# Altium PCB pcb.PcbDoc (part 2 of 3)
Units mm, origin at the board's own origin, x right, y up, seen from the top; angles counter-clockwise.
Board outline 141.5 x 36 mm, 4 copper layers (COMPONENT, GND1, GND2, SIGNAL), stack 1.62 mm thick; 144 components, 119 nets, 555 pads, 641 vias.
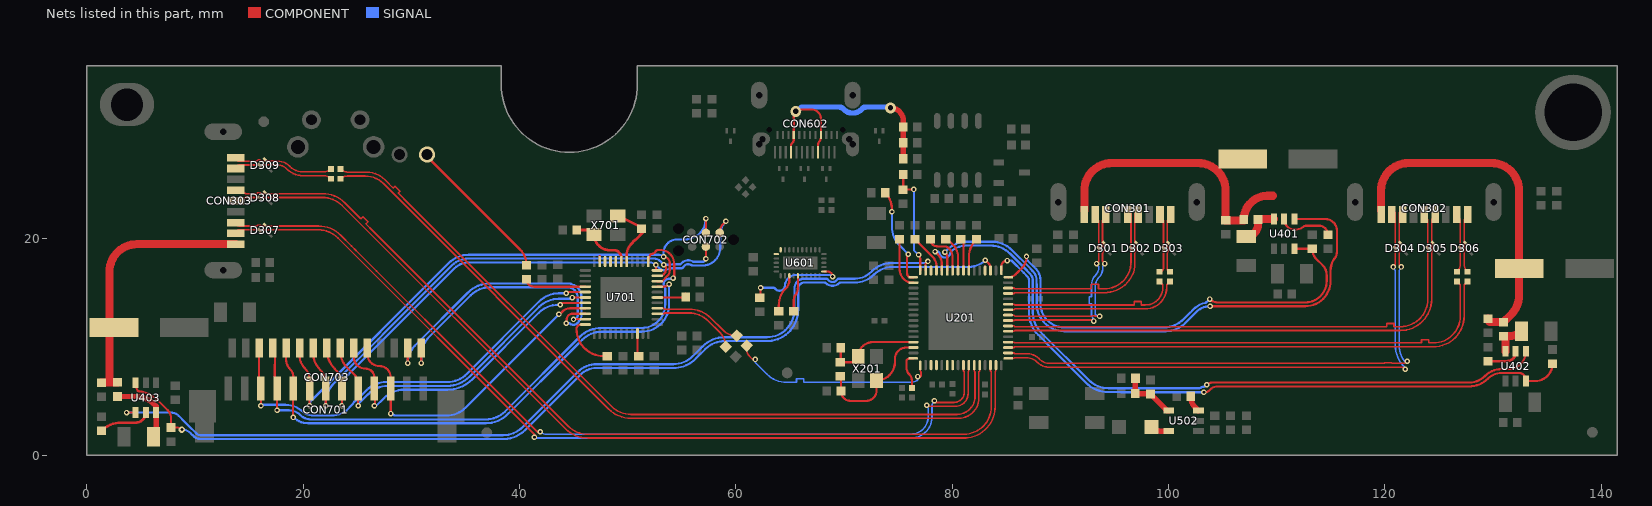
[diagram p4: the nets of this part, all layers, seen from the top]

## Via types
v1: diameter 0.508, hole 0.254, COMPONENT to SIGNAL, tented both sides, 518 vias
v2: diameter 0.6, hole 0.3, COMPONENT to SIGNAL, tented both sides, 78 vias
v3: diameter 0.508, hole 0.3, COMPONENT to SIGNAL, 37 vias
v4: diameter 1, hole 0.5, COMPONENT to SIGNAL, tented both sides, 8 vias

## Nets (pads, with @x,y where several pads share a name; then routed paths per layer and width w, separated by ;. In a path a pad name is that pad's centre, name@x,y a point inside that pad or via, vN(x,y) a via of type N, cw(c..) or ccw(c..) an arc to the next point about the centre after c; other vN are vias at no path point) (continued)
MCU_D_P: R702.1 U201.1 | length 19.9
  COMPONENT w0.152: R702.1@60.997,10.121 60.997,9.769 ccw(c61.927,9.769) 61.269,9.112 ; 61.269,9.112 61.542,8.839 v1(61.798,8.839) ; v1@77.013,7.188 77.112,7.287 77.112,7.695 77.04,7.767 U201.1@77.04,8.294
  SIGNAL w0.152: v1(61.798,8.839) 61.798,8.56 62.883,7.475 ccw(c64.679,9.271) 62.885,7.473 ccw(c64.679,9.271) 64.679,6.731 65.608,6.731 65.608,7.067 66.269,7.067 66.269,6.731 67.005,6.731 76.233,6.731 ccw(c76.233,7.546) 76.81,6.97 v1(76.81,7.264)
MCU_D_PRE_N: R701.2 U701.3 | length 7.9
  COMPONENT w0.152: U701.3@52.728,13.072 53.329,13.072 53.401,13.144 55.654,13.144 cw(c55.654,10.604) 57.45,12.4 58.547,11.303 cw(c57.299,10.055) 59.064,10.055 R701.2@59.064,10.021
MCU_D_PRE_P: R702.2 U701.4 | length 8.2
  COMPONENT w0.152: U701.4@52.728,13.572 53.329,13.572 53.401,13.5 55.655,13.5 cw(c55.655,10.608) 57.7,12.653 58.772,11.58 ccw(c60.078,12.886) R702.2@60.078,11.04
MCU_RXD1: U701.20
MCU_SCL: U701.18
MCU_SDA: U701.19
MCU_TXD1: U701.21 | length 0.5
  COMPONENT w0.203: U701.21@47.403,17.897 U701.21@47.403,18.383
MISO: CON701.6 CON702.1 CON703.8 U701.11 | length 53
  COMPONENT w0.203: CON703.8@22.161,9.9 22.161,9.777 ccw(c24.701,9.777) 22.905,7.981 22.936,7.95 cw(c21.386,6.4) 23.578,6.4 CON701.6@23.578,6.147 v1@23.578,4.604 ; v1(52.603,17.577) 52.603,17.196 U701.11@52.728,17.072 ; CON702.1@58.496,20.549 cw(c59.661,20.549) 58.837,21.372 v1(59.08,21.615)
  SIGNAL w0.203: v1@23.578,4.604 23.578,5.823 cw(c26.118,5.823) 24.322,7.619 29.306,12.604 33.977,17.274 cw(c35.27,15.98) 34.713,17.722 cw(c35.371,15.269) 35.371,17.809 52.043,17.809 cw(c52.043,17.016) 52.603,17.577 52.984,17.228 ccw(c53.327,17.603) 53.465,17.114 53.939,17.247 cw(c54.188,16.367) 54.191,17.282 54.356,17.282 54.976,17.282 ccw(c54.976,17.485) 55.154,17.388 cw(c55.601,17.145) 55.89,17.562 ccw(c56.006,17.729) 56.006,17.526 56.744,17.526 56.947,17.526 ccw(c56.947,18.161) 56.949,17.526 ccw(c56.947,18.161) 56.989,17.527 ccw(c56.921,19.152) 58.547,19.152 58.547,20.328 cw(c60.368,20.328) v1@59.08,21.615
  other v1: 23.578,4.572
MOSI: CON701.7 CON702.4 CON703.7 U701.10 | length 50.5
  COMPONENT w0.203: CON703.7@20.911,9.9 20.911,9.451 ccw(c23.142,9.451) 21.565,7.874 cw(c20.325,6.634) 22.078,6.634 CON701.7@22.078,6.147 v1(22.078,4.572) ; U701.10@52.728,16.572 53.178,16.572 53.324,16.718 53.324,16.725 53.353,16.754 ccw(c52.942,17.166) 53.4,16.807 cw(c53.56,16.681) 53.409,16.818 ccw(c53.128,17.072) 53.5,16.998 cw(c53.699,16.958) 53.503,17.012 ccw(c52.942,17.166) 53.524,17.166 53.524,17.407 ccw(c53.327,17.407) v1(53.327,17.603) ; v1(57.226,18.161) CON702.4@57.226,19.279
  SIGNAL w0.203: v1@22.078,4.4 v1(22.078,4.572) 22.078,4.826 cw(c24.618,4.826) 22.822,6.622 27.335,11.135 27.409,11.209 32.154,15.954 33.726,17.526 cw(c35.27,15.98) 35.27,18.165 52.448,18.165 cw(c52.448,17.396) 52.99,17.94 53.216,17.715 53.327,17.715 v1(53.327,17.603) 53.872,17.603 ccw(c53.872,17.806) 53.916,17.608 cw(c54.188,16.367) 54.192,17.637 54.356,17.637 54.792,17.637 ccw(c54.792,17.84) 54.946,17.708 cw(c55.601,17.145) 56.051,17.882 56.947,17.882 ccw(c56.947,18.161) v1(57.226,18.161)
NetC201_2: C201.2 R211.1 U201.62 X201.1 | length 12
  COMPONENT w0.203: R211.1@69.647,7.275 cw(c69.647,7.209) 69.713,7.209 C201.2@69.713,5.918 ccw(c70.627,5.918) 70.627,5.004 72.034,5.004 ccw(c72.034,5.969) 73,5.969 73,6.901 X201.1@73.011,6.901 ccw(c73.011,8.591) 74.701,8.591 74.701,8.89 cw(c75.755,8.89) 75.755,9.944 U201.62@76.415,9.944
NetC202_2: C202.2 R211.2 U201.61 X201.3 | length 9.2
  COMPONENT w0.203: C202.2@69.687,9.931 69.687,8.615 cw(c69.647,8.615) R211.2@69.647,8.575 70.785,8.575 ccw(c70.785,9.101) X201.3@71.311,9.101 cw(c72.654,9.101) 72.654,10.444 U201.61@76.415,10.444
NetC203_1: C203.1 U201.50 | length 6.2
  COMPONENT w0.203: 75.133,18.448 75.133,18.923 ; C203.1@75.133,19.948 75.133,19.025 ; C203.1@75.133,19.949 75.133,19.025 ; U201.50@76.415,15.944 76.284,15.944 cw(c76.284,16.967) 75.757,16.09 cw(c76.284,16.967) 75.527,16.278 cw(c76.476,17.228) 75.133,17.228 75.133,18.447 75.133,18.923 ; 75.133,18.923 75.133,19.025
NetC301_2: C301.2 C310.2 CON301.1 L301.2 | length 26.2
  COMPONENT w0.75: CON301.1@92.215,22.6 92.215,24.46 cw(c94.755,24.46) 94.755,27 102.743,27 cw(c102.743,24.46) 105.283,24.46 C301.2@105.283,21.707 L301.2@106.97,21.707 ; L301.2@106.97,21.793 cw(c109.151,21.793) 107.044,22.358 cw(c109.151,21.793) 108.587,23.901 cw(c109.151,21.793) 109.151,23.975 109.661,23.975
NetC304_2: C304.2 C311.2 CON302.1 L302.2 | length 31.8
  COMPONENT w0.75: CON302.1@119.65,22.6 119.65,24.46 cw(c122.19,24.46) 122.19,27 129.87,27 cw(c129.87,24.46) 132.41,24.46 132.41,14.776 cw(c129.87,14.776) 131.666,12.98 L302.2@130.983,12.297 129.84,12.297 cw(c129.84,12.602) C304.2@129.536,12.602
NetC307_2: C307.2 C312.2 CON303.1 L303.2 | length 24.8
  COMPONENT w0.75: C307.2@1.346,6.695 2.08,6.695 ; L303.2@2.819,6.721 2.08,6.721 2.08,16.96 cw(c4.62,16.96) 4.62,19.5 CON303.1@13.75,19.5
NetC403_2: C403.2 L301.1 U401.6 | length 3.7
  COMPONENT w0.75: C403.2@107.188,20.222 ccw(c107.188,21.304) 108.27,21.304 L301.1@108.27,21.793 108.299,21.822 U401.6@109.743,21.822
NetC406_2: C406.2 L302.1 U402.6 | length 3.2
  COMPONENT w0.75: U402.6@131.151,9.593 131.151,10.593 ccw(c130.579,10.593) L302.1@130.983,10.997 131.516,10.997 ccw(c131.516,12.609) C406.2@132.656,11.469
NetC409_2: C409.2 L303.1 U403.6 | length 6.3
  COMPONENT w0.5: L303.1@2.819,5.421 4.424,5.421 cw(c4.424,2.881) 4.76,5.398 cw(c4.424,2.881) 5.694,5.08 cw(c4.424,2.881) 6.22,4.677 6.386,4.511 U403.6@6.386,3.934 C409.2@6.386,2.051
NetC506_1: C506.1 R502.2 R503.1 U502.4 | length 5.3
  COMPONENT w0.508: R502.2@96.941,7.112 96.941,5.715 C506.1@96.916,5.69 98.283,5.69 R503.1@98.323,5.649 99.76,4.213 ccw(c100.015,4.468) U502.4@100.015,4.107 U502.4@99.866,4.107
NetC601_2: C601.2 CON602.A4 CON602.A9 CON602.B4 CON602.B9 D606.1 L601.1 | length 26.1
  COMPONENT w0.2: CON602.A9@65.102,28 65.102,28.578 cw(c65.529,28.578) 65.227,28.88 ccw(c64.926,29.181) 65.352,29.181 CON602.B4@65.352,29.6 65.352,31.341 cw(c65.967,31.341) v4@65.48,31.716 ; v4@65.48,31.775 v4@65.48,31.716 ; CON602.A4@67.602,28 67.602,28.731 cw(c67.993,28.731) 67.716,29.007 ccw(c67.389,29.334) 67.852,29.334 CON602.B9@67.852,29.6 67.852,31.106 ccw(c67.005,31.106) 67.005,31.953 65.71,31.953 ccw(c65.71,31.775) 65.532,31.775 ccw(c65.967,31.341) v4@65.48,31.716
  COMPONENT w0.5: v4(74.295,32.106) cw(c74.295,30.926) 75.474,30.926 L601.1@75.474,28.88 D606.1@75.474,27.407
  SIGNAL w0.5: v4(65.532,31.775) 65.667,31.775 66.074,32.182 69.551,32.182 cw(c69.553,31.682) 69.928,32.013 ccw(c70.792,32.775) 71.656,32.013 cw(c72.031,31.682) 72.033,32.182 72.819,32.182 ; v4(74.295,32.106) ccw(c74.219,32.106) v4@74.219,32.182 ; 72.819,32.182 ccw(c72.817,31.682) 72.817,32.182 v4@74.219,32.182 ; 72.819,32.182 v4@74.219,32.182
NetC701_1: C701.1 U701.42 | length 2
  COMPONENT w0.203: C701.1@50.903,9.025 C701.1@51.016,8.912 ; C701.1@50.903,9.406 U701.42@50.903,11.247
NetC702_1: C702.1 U701.6 | length 2.8
  COMPONENT w0.203: U701.6@52.728,14.572 C702.1@55.037,14.572
  COMPONENT w0.254: C702.1@55.037,14.572 ccw(c55.037,14.884) C702.1@55.35,14.884
NetC703_2: C703.2 U701.16 X701.1 | length 6.4
  COMPONENT w0.254: X701.1@49.081,22.11 51.562,20.915 cw(c51.186,20.915) 51.452,20.649 50.708,19.905 cw(c50.528,20.085) 50.657,19.866 ccw(c50.927,19.406) 50.467,19.676 cw(c50.248,19.804) 50.427,19.624 50.328,19.525 ccw(c51.355,18.498) 49.903,18.498 U701.16@49.903,17.897
NetC704_2: C704.2 U701.17 X701.3 | length 5.9
  COMPONENT w0.254: C704.2@45.278,20.803 46.488,20.803 cw(c46.488,20.41) X701.3@46.881,20.41 ccw(c48.342,20.41) 48.342,18.948 48.692,18.948 cw(c48.692,18.237) 49.403,18.237 U701.17@49.403,17.897
NetD701_2: D701.2 R703.2 | length 13.9
  COMPONENT w0.203: D701.2@31.445,27.788 31.445,27.609 40.041,19.013 cw(c38.594,17.566) R703.2@40.64,17.566
NetL501_1: L501.1 U502.5 | length 1.7
  COMPONENT w0.508: L501.1@98.426,2.616 ccw(c99.415,3.605) 99.415,2.207 U502.5@100.015,2.207
NetR201_2: R201.2 U201.39 | length 3.1
  COMPONENT w0.203: U201.39@81.54,17.069 81.54,18.319 cw(c83.774,18.319) 82.194,19.899 R201.2@82.245,19.95 R201.2@82.245,20
NetR204_1: R204.1 R205.1 U201.48 | length 10.1
  COMPONENT w0.203: R204.1@75.474,25.933 75.463,25.933 R205.1@75.463,24.526 cw(c75.499,24.526) 75.499,24.562 v1(76.454,24.562) ; v1@76.886,18.516 cw(c76.514,18.145) 77.04,18.145 U201.48@77.04,17.094
  SIGNAL w0.203: v1(76.454,24.562) 76.454,18.948 v1(76.886,18.517)
NetR206_2: R206.2 U201.64 | length 3.4
  COMPONENT w0.203: 76.047,7.451 cw(c76.722,8.124) 76.017,7.482 ccw(c75.829,7.311) 75.998,7.501 cw(c76.352,7.899) 75.976,7.521 cw(c76.352,7.899) 75.974,7.523 cw(c76.352,7.899) 75.836,7.768 ccw(c75.589,7.705) 75.828,7.793 cw(c76.722,8.124) 75.819,7.817 cw(c76.722,8.124) 75.768,8.124 75.768,8.28 75.768,8.659 cw(c76.022,8.659) 75.927,8.894 cw(c76.177,8.28) 76.177,8.944 U201.64@76.39,8.944 ; 76.048,7.449 cw(c75.496,6.898) 76.276,6.898 76.276,6.241 R206.2@76.327,6.19
NetR207_2: R207.2 U201.45 | length 3.7
  COMPONENT w0.203: R207.2@76.556,19.949 78.223,18.282 cw(c77.457,17.517) 78.54,17.517 U201.45@78.54,17.069
NetR208_2: R208.2 U201.40 | length 3
  COMPONENT w0.203: R208.2@80.79,19.95 80.79,19.992 R208.2@80.797,20 ; R208.2@80.797,19.95 81.04,19.708 U201.40@81.04,17.069
NetR209_2: R209.2 U201.42 | length 4
  COMPONENT w0.203: R209.2@77.978,19.95 ccw(c78.632,19.95) 78.392,19.341 ccw(c78.468,19.53) 78.451,19.328 cw(c78.41,18.821) 78.564,19.306 ccw(c78.625,19.499) 78.624,19.296 ccw(c78.632,19.95) 78.632,19.296 79.104,19.296 cw(c79.104,18.238) 79.28,19.281 ccw(c79.314,19.482) 79.317,19.279 cw(c79.324,18.771) 79.688,19.125 cw(c78.838,18.276) 79.691,19.122 cw(c78.838,18.276) 80.04,18.276 U201.42@80.04,17.325
NetR210_2: R210.2 U201.49 | length 8.8
  COMPONENT w0.203: R210.2@73.802,24.257 cw(c72.305,22.76) 74.308,23.447 cw(c72.305,22.76) 74.422,22.76 v1(74.422,22.504) ; v1@75.946,18.415 ccw(c75.946,18.299) 75.83,18.299 75.83,17.424 75.83,16.788 ccw(c76.175,16.788) 76.175,16.444 U201.49@76.39,16.444
  SIGNAL w0.203: v1(74.422,22.504) 74.422,21.144 ccw(c76.962,21.144) 75.166,19.347 v1(75.946,18.567)
NetR214_2: R214.2 U201.41 | length 3.4
  COMPONENT w0.203: R214.2@79.4,19.941 R214.2@79.4,19.95 79.569,19.95 80.054,19.465 cw(c78.883,18.294) 80.54,18.294 U201.41@80.54,17.069
NetR401_1: R401.1 U201.32 U401.3 | length 42.5
  COMPONENT w0.203: U201.32@85.19,16.444 ccw(c85.19,17.409) 85.873,16.727 85.986,16.84 86.427,17.281 ccw(c85.363,18.345) 86.868,18.345 v1(86.868,18.364) ; v1(103.81,14.427) ccw(c104.558,15.175) 104.102,14.221 ccw(c104.558,15.175) 104.558,14.117 112.644,14.117 ccw(c112.644,16.103) 114.039,14.69 ccw(c112.644,16.103) 114.63,16.103 114.63,16.632 ccw(c113.329,16.632) 114.249,17.551 113.686,18.114 cw(c114.658,19.086) R401.1@113.284,19.086 111.643,19.086 U401.3@111.643,19.072
  SIGNAL w0.203: v1(86.868,18.364) 86.926,18.306 86.926,18.047 86.992,17.981 87.5,17.473 cw(c87.249,17.221) 87.51,17.463 87.735,17.222 cw(c86.589,16.148) 88.159,16.157 88.163,15.602 88.163,15.597 88.163,15.113 88.163,13.995 ccw(c90.348,13.995) 88.358,13.095 ccw(c90.348,13.995) 90.348,11.811 99.583,11.811 ccw(c99.583,14.351) 101.379,12.555 101.994,13.17 ; 101.996,13.167 102.312,13.483 cw(c103.842,11.954) 103.385,14.068 ccw(c103.342,14.267) 103.485,14.123 cw(c103.842,13.762) 103.563,14.186 ccw(c103.451,14.355) 103.595,14.212 v1(103.81,14.427)
NetR402_1: R402.1 U401.5 | length 5.3
  COMPONENT w0.2: U401.5@110.693,21.64 U401.5@110.693,21.822 ccw(c111.672,21.822) 111.672,20.843 ccw(c111.672,22.195) 112.381,21.044 cw(c112.78,20.645) 112.532,21.151 cw(c112.78,20.645) 112.78,21.209 113.909,21.209 cw(c113.909,20.386) R402.1@114.732,20.386
NetR403_1: R403.1 U201.33 U402.3 | length 60.9
  COMPONENT w0.203: U201.33@84.54,17.094 84.54,17.433 cw(c85.09,17.433) 84.548,17.527 cw(c85.09,17.433) v1(85.09,17.983) ; v1(103.276,5.817) 103.302,5.791 ccw(c103.302,6.466) 103.779,5.989 103.858,6.068 cw(c104.527,5.399) 104.527,6.345 127.786,6.345 ccw(c127.786,8.79) 129.515,7.061 cw(c130.809,5.767) 130.809,7.597 132.376,7.597 cw(c132.376,6.922) 133.051,6.922 U402.3@133.051,6.843 133.891,6.843 ccw(c133.891,7.046) 133.933,6.847 cw(c134.036,6.35) 134.07,6.857 ccw(c134.083,7.06) 134.11,6.858 ccw(c133.891,8.457) R403.1@135.505,8.457
  SIGNAL w0.203: v1(85.09,17.983) 85.481,17.983 86.606,16.858 86.952,16.498 cw(c86.589,16.148) 87.093,16.15 87.097,15.596 87.097,13.163 ccw(c89.992,13.163) 87.945,11.115 89.281,9.779 92.39,6.67 ccw(c94.438,8.717) 92.392,6.668 ccw(c94.438,8.717) 94.438,5.821 95.606,5.821 ; 95.606,5.817 v1(103.276,5.817)
NetR404_1: R404.1 U402.5 | length 3.1
  COMPONENT w0.254: R404.1@129.536,8.686 131.234,8.686 ccw(c131.234,9.671) 131.931,8.974 ccw(c130.889,9.593) U402.5@132.101,9.593
NetR405_1: R405.1 U201.35 U403.3 | length 90.3
  COMPONENT w0.203: U403.3@4.486,6.684 ccw(c5.88,6.684) 4.528,6.343 ccw(c5.88,6.684) 4.664,6.002 ccw(c4.841,6.101) 4.815,5.899 cw(c4.424,2.881) 4.966,5.876 cw(c4.424,2.881) 5.089,5.851 cw(c4.424,2.881) 6.576,5.034 6.643,4.966 7.467,4.143 ; 7.467,4.142 cw(c6.709,3.385) 7.781,3.385 R405.1@7.781,2.549 8.313,2.549 cw(c8.313,1.912) v2@8.763,2.362 ; v1(83.062,18.023) 83.371,17.714 ; 83.371,17.714 cw(c82.964,17.307) U201.35@83.54,17.307
  SIGNAL w0.203: v2(8.775,2.364) cw(c8.775,1.228) 9.577,2.033 cw(c8.775,1.228) 9.578,2.031 9.803,1.806 ccw(c10.668,2.67) 10.208,1.538 ccw(c10.421,2.054) 10.338,1.502 ccw(c10.67,3.812) 10.67,1.478 38.473,1.478 ccw(c38.473,4.374) 38.886,1.508 ccw(c38.473,4.374) 40.522,2.327 45.627,7.433 cw(c47.121,5.939) 47.121,8.052 54.223,8.052 ccw(c54.223,10.947) 55.145,8.202 ccw(c54.223,10.947) 56.271,8.9 56.451,9.08 57.168,9.797 cw(c58.964,8.001) 57.582,10.132 cw(c58.964,8.001) 58.964,10.541 62.865,10.541 ccw(c62.865,13.437) 63.027,10.546 ccw(c62.865,13.437) 64.828,11.308 ccw(c62.865,13.437) 65.583,12.437 ccw(c62.865,13.437) 65.761,13.437 65.761,15.392 cw(c66.319,15.392) 65.788,15.565 cw(c66.319,15.392) 66.319,15.951 68.188,15.951 cw(c68.189,15.748) 68.331,15.893 ccw(c68.936,16.51) 69.54,15.893 cw(c69.682,15.748) 69.683,15.951 70.984,15.951 ccw(c70.984,18.475) 71.227,15.963 ccw(c70.984,18.475) 72.769,16.691 cw(c74.478,14.982) 74.478,17.399 81.555,17.399 ccw(c81.555,19.531) v1(83.062,18.023)
NetR406_1: R406.1 U403.5 | length 4.8
  COMPONENT w0.254: R406.1@1.346,2.246 1.354,2.253 cw(c3.15,0.457) 3.15,2.997 4.499,2.997 ccw(c4.499,3.934) 4.883,3.079 ccw(c4.499,3.934) 5.353,3.55 ccw(c4.499,3.934) U403.5@5.436,3.934
NetR501_2: R501.2 U502.3 | length 1.6
  COMPONENT w0.5: R501.2@102.047,5.436 ccw(c103.52,5.436) 102.478,4.395 ; 102.478,4.394 U502.3@102.765,4.107
NetR602_1: R602.1 U601.11 | length 9.6
  COMPONENT w0.2: R602.1@62.205,14.559 62.281,14.635 v1(62.281,15.469) ; U601.11@68.138,16.98 68.466,16.98 cw(c68.466,16.51) v1(68.936,16.51)
  SIGNAL w0.2: v1(62.281,15.469) 63.471,15.469 cw(c63.472,15.269) 63.631,15.39 ccw(c64.033,15.697) 64.537,15.644 ccw(c64.033,15.697) 64.54,15.706 cw(c64.74,15.71) 64.54,15.727 cw(c65.545,15.644) 65.545,16.652 66.173,16.652 ccw(c65.002,16.661) 66.173,16.661 68.785,16.661 v1(68.936,16.51)
NetR603_1: R603.1 U601.5 | length 3.6
  COMPONENT w0.203: R603.1@65.354,13.299 65.354,14.387 cw(c66.027,14.387) 65.425,14.686 ; U601.5@65.738,16.58 65.738,15.538 cw(c64.427,15.538) 65.551,14.863 ; 65.425,14.686 ccw(c64.427,15.538) 65.551,14.863 ; 65.425,14.686 cw(c66.027,14.387) 65.551,14.863
NetR604_1: R604.1 U601.3 | length 3.5
  COMPONENT w0.2: R604.1@63.957,13.299 63.957,13.798 cw(c66.339,13.798) 64.457,15.258 64.632,15.432 ccw(c63.891,16.173) 64.758,15.585 ccw(c63.891,16.173) 64.938,16.173 U601.3@64.938,16.58
NetR704_2: R704.2 U701.33 | length 5.3
  COMPONENT w0.203: U701.33@46.078,12.072 45.676,12.072 ccw(c45.676,11.659) 45.263,11.659 ccw(c47.771,11.659) 47.771,9.15 R704.2@48.108,9.15
NetU201_3: U201.3
NetU201_4: U201.4
NetU201_6: U201.6
NetU201_7: U201.7
NetU201_36: U201.36 | length 0.4
  COMPONENT w0.203: U201.36@83.04,17.069 U201.36@83.04,17.449
NetU201_43: U201.43 U401.4 | length 54.8
  COMPONENT w0.203: v1(79.324,18.771) cw(c78.804,18.25) 79.519,18.422 cw(c78.804,18.25) 79.54,18.25 U201.43@79.54,17.069 ; v1(103.842,13.762) 112.644,13.762 ccw(c112.644,16.103) 114.986,16.103 114.986,17.055 cw(c116.98,17.055) 115.209,17.973 ; U401.4@111.643,21.822 114.5,21.822 cw(c114.5,20.752) 115.57,20.752 115.57,18.844 cw(c114.338,18.844) 115.471,18.359 ; 115.209,17.973 cw(c116.98,17.055) 115.471,18.359 ; 115.209,17.973 ccw(c114.338,18.844) 115.471,18.359
  SIGNAL w0.203: v1(79.324,18.771) 79.541,18.987 cw(c81.337,17.191) 81.337,19.731 83.687,19.731 cw(c83.687,17.191) 85.483,18.987 87.249,17.221 87.475,16.979 cw(c86.589,16.148) 87.804,16.155 87.808,15.6 87.808,15.596 87.808,13.995 ccw(c90.348,13.995) 90.348,11.455 99.735,11.455 ccw(c99.735,13.995) 101.531,12.199 102.564,13.232 ; 102.565,13.233 cw(c103.842,11.954) v1(103.842,13.762)
NetU201_44: U201.44 U402.4 | length 66.4
  COMPONENT w0.203: v1(78.41,18.821) 78.665,18.567 cw(c77.759,17.661) 79.04,17.661 U201.44@79.04,17.069 ; v1@103.53,6.502 cw(c104.009,6.023) 103.71,6.631 cw(c104.009,6.023) 104.009,6.701 127.786,6.701 ccw(c127.786,8.79) 128.721,6.922 ccw(c127.786,8.79) 129.264,7.314 cw(c130.809,5.767) 130.11,7.838 cw(c130.809,5.767) 130.809,7.953 131.411,7.953 ccw(c131.411,9.593) U402.4@133.051,9.593
  SIGNAL w0.203: v1(78.41,18.821) 78.629,18.821 cw(c78.63,18.618) 78.828,18.662 ccw(c79.324,18.771) 79.324,18.263 ccw(c79.324,18.771) 79.824,18.68 ; 79.824,18.682 ccw(c79.324,18.771) 79.827,18.696 cw(c80.028,18.667) 79.915,18.836 79.938,18.851 ccw(c79.826,19.02) 79.963,18.87 80.044,18.952 cw(c81.337,17.191) 81.337,19.375 83.54,19.375 cw(c83.54,16.835) 85.336,18.631 86.909,17.059 87.21,16.742 cw(c86.589,16.148) 87.448,16.153 87.452,15.598 87.452,15.596 87.452,13.163 ccw(c89.992,13.163) 88.196,11.367 92.642,6.921 ccw(c94.438,8.717) 94.438,6.177 102.745,6.177 ccw(c102.745,7.288) 102.874,6.185 ccw(c102.851,6.386) 102.951,6.21 ccw(c102.851,6.386) 102.972,6.224 cw(c103.276,5.817) 103.25,6.324 ccw(c103.24,6.527) 103.349,6.356 ccw(c102.745,7.288) v1(103.53,6.502)
NetU201_46: U201.46
NetU201_47: U201.47 U403.4 | length 84.5
  COMPONENT w0.203: v1(3.661,3.934) U403.4@4.486,3.934 ; U201.47@77.54,17.069 77.54,17.697 v1(77.749,17.907)
  SIGNAL w0.203: v1(3.661,3.934) 7.762,3.934 cw(c7.762,2.928) 8.471,3.641 9.025,3.087 9.485,2.627 10.054,2.058 ccw(c10.668,2.67) 10.344,1.866 ccw(c10.421,2.054) 10.39,1.853 ccw(c10.67,3.812) 10.486,1.842 ccw(c10.67,3.812) 10.67,1.834 38.473,1.834 ccw(c38.473,4.374) 40.269,2.578 44.944,7.253 45.376,7.685 cw(c47.121,5.939) 45.378,7.686 cw(c47.121,5.939) 47.121,8.407 54.223,8.407 ccw(c54.223,10.947) 56.019,9.151 56.746,9.878 56.917,10.048 cw(c58.964,8.001) 56.918,10.05 cw(c58.964,8.001) 58.964,10.897 62.865,10.897 ccw(c62.865,13.437) 65.405,13.437 65.405,15.392 cw(c66.319,15.392) 66.319,16.307 68.351,16.307 cw(c68.352,16.104) 68.353,16.307 cw(c68.352,16.104) 68.441,16.286 cw(c68.352,16.104) 68.519,16.22 ccw(c68.936,16.51) 68.576,16.152 ccw(c68.936,16.51) 68.577,16.15 ccw(c68.936,16.51) 68.936,16.002 ccw(c68.936,16.51) 69.352,16.22 cw(c69.519,16.104) 69.52,16.307 70.984,16.307 ccw(c70.984,18.475) 72.516,16.941 ccw(c70.984,18.475) 72.517,16.942 72.586,17.011 cw(c74.382,15.215) 74.382,17.755 77.515,17.755 77.667,17.907 v1(77.749,17.907)
OUT1: U601.26
OUT2: U601.25
P1_D_N: CON301.2 D301.2 U201.24 | length 19
  COMPONENT w0.152: U201.24@85.165,12.444 85.716,12.444 85.769,12.497 v1@93.091,12.497 ; CON301.2@93.215,22.6 93.215,22.378 ccw(c93.765,22.378) 93.376,21.989 cw(c92.987,21.6) 93.537,21.6 93.537,17.896 v1(93.345,17.704)
  SIGNAL w0.152: v1@93.091,12.395 cw(c93.255,12.559) 93.023,12.559 93.023,12.59 ccw(c92.771,12.59) 92.949,12.768 cw(c93.128,12.947) 92.875,12.947 92.875,13.919 92.875,13.995 92.684,13.995 92.684,14.656 92.875,14.656 92.875,15.747 cw(c94.055,15.747) 93.221,16.581 ccw(c92.43,17.372) 93.548,17.372 93.548,17.399 ccw(c93.457,17.399) 93.522,17.463 v1@93.39,17.595 ; v1(93.345,17.704) ccw(c93.499,17.704) v1@93.39,17.595
  other v1: 93.091,12.395
P1_D_P: CON301.3 D301.1 U201.25 | length 19.1
  COMPONENT w0.152: U201.25@85.165,12.944 85.716,12.944 85.807,12.852 92.913,12.852 ccw(c92.913,13.005) 92.956,12.858 cw(c93.091,12.395) 93.28,12.839 ccw(c93.34,12.979) 93.34,12.827 93.493,12.827 v1(93.624,12.827) ; 93.893,20.192 93.893,19.601 93.893,19.388 ccw(c94.045,19.388) 93.937,19.281 94.039,19.18 cw(c93.877,19.018) 94.039,18.856 93.938,18.755 ccw(c94.045,18.647) 93.893,18.647 93.893,17.918 v1(94.107,17.704) ; 93.893,20.193 93.893,21.6 cw(c94.443,21.6) 94.054,21.989 ccw(c93.665,22.378) 94.215,22.378 CON301.3@94.215,22.6
  SIGNAL w0.152: v1(93.624,12.827) ccw(c93.46,12.663) 93.46,12.895 93.392,12.895 cw(c93.392,13.056) 93.278,12.942 cw(c93.392,13.056) 93.231,13.056 93.231,15.6 cw(c94.41,15.6) 93.576,16.434 ccw(c92.785,17.225) 93.904,17.225 93.904,17.399 cw(c93.995,17.399) 93.93,17.463 v1@94.062,17.595 ; v1@94.062,17.595 ccw(c93.953,17.704) v1(94.107,17.704)
P1_SSRX_N: CON301.5 D302.2 U201.30 | length 18.6
  COMPONENT w0.152: U201.30@85.165,15.444 85.716,15.444 85.788,15.371 92.786,15.371 92.863,15.371 92.863,15.793 93.523,15.793 93.523,15.371 94.056,15.371 ccw(c94.056,17.852) 96.537,17.852 96.537,19.118 96.537,22.278 ccw(c96.215,22.278) CON301.5@96.215,22.6
P1_SSRX_P: CON301.6 D302.1 U201.29 | length 18.4
  COMPONENT w0.152: U201.29@85.165,14.944 85.716,14.944 85.788,15.016 94.056,15.016 ccw(c94.056,17.911) 96.77,16.901 ccw(c94.203,17.705) 96.893,17.705 96.893,18.71 cw(c97.045,18.71) 96.926,18.805 cw(c97.045,18.71) 96.937,18.818 96.976,18.856 ccw(c96.814,19.018) 96.975,19.18 96.952,19.203 96.937,19.218 cw(c97.045,19.325) 96.893,19.325 96.893,19.601 96.893,20.294 ; 96.893,20.295 96.893,22.278 cw(c97.215,22.278) CON301.6@97.215,22.6
P1_SSTX_N: C303.2 U201.27 | length 17
  COMPONENT w0.152: U201.27@85.165,13.944 85.716,13.944 85.788,13.871 91.44,13.871 94.57,13.871 ; 95.021,13.871 94.57,13.871 ; C303.2@99.175,16.05 99.374,15.851 99.384,15.851 cw(c99.168,15.636) 99.473,15.636 99.473,15.494 cw(c97.85,15.494) 97.85,13.871 97.485,13.871 97.485,14.195 96.825,14.195 96.825,13.871 96.749,13.871 94.57,13.871
P1_SSTX_P: C302.2 U201.26 | length 16.5
  COMPONENT w0.152: U201.26@85.165,13.444 85.716,13.444 85.788,13.516 97.85,13.516 ccw(c97.85,15.494) 99.829,15.494 99.829,15.636 cw(c100.133,15.636) 99.918,15.851 99.928,15.851 C302.2@100.127,16.05
P1_SSTX_PRE_N: C303.1 CON301.8 D303.2 | length 5.9
  COMPONENT w0.152: C303.1@99.175,16.95 ccw(c99.175,17.31) 99.535,17.31 99.535,17.895 99.537,17.895 99.537,21.6 ccw(c98.987,21.6) 99.376,21.989 cw(c99.765,22.378) 99.215,22.378 CON301.8@99.215,22.6
P1_SSTX_PRE_P: C302.1 CON301.9 D303.1 | length 6
  COMPONENT w0.152: 99.893,21.353 99.893,21.107 99.893,19.601 99.893,19.315 ccw(c100.045,19.315) 99.893,19.307 ccw(c100.045,19.315) 99.937,19.208 99.965,19.18 cw(c99.804,19.018) 99.965,18.856 99.938,18.828 ccw(c100.045,18.72) 99.893,18.729 ccw(c100.045,18.72) 99.893,18.72 99.893,17.184 ccw(c100.127,17.184) C302.1@100.127,16.95 ; 99.893,21.354 99.893,21.6 cw(c100.443,21.6) 100.054,21.989 ccw(c99.665,22.378) 100.215,22.378 CON301.9@100.215,22.6
P2_D_N: CON302.2 D304.2 U201.17 | length 52
  COMPONENT w0.152: U201.17@85.19,8.944 85.716,8.944 85.788,9.016 86.8,9.016 cw(c86.8,7.5) 87.872,8.572 87.874,8.57 ccw(c88.941,9.637) 87.877,8.567 ccw(c88.941,9.637) 88.938,8.128 ccw(c88.941,9.637) 88.941,8.128 121.691,8.128 v1(121.895,7.925) ; CON302.2@120.65,22.6 cw(c120.65,22.278) 120.972,22.278 120.972,21.234 120.972,20.564 120.972,19.891 120.972,19.73 cw(c120.82,19.729) 120.971,19.713 ccw(c121.199,19.689) 120.971,19.665 cw(c120.82,19.65) 120.972,19.65 120.972,19.106 120.972,17.907 120.972,17.594 v1(120.777,17.399)
  SIGNAL w0.152: v1(120.777,17.399) ccw(c120.962,17.399) 120.831,17.268 cw(c120.502,16.939) 120.968,16.939 120.968,10.152 ccw(c123.786,10.152) 121.793,8.158 v1@121.796,8.156
P2_D_P: CON302.3 D304.1 U201.18 | length 52.1
  COMPONENT w0.152: U201.18@85.165,9.444 85.716,9.444 85.788,9.371 86.947,9.371 cw(c86.947,7.856) 88.019,8.928 88.123,8.823 ccw(c88.944,9.644) 88.125,8.822 ccw(c88.944,9.644) 88.941,8.484 ccw(c88.944,9.644) 88.944,8.484 119.888,8.484 119.964,8.484 119.964,8.546 120.625,8.546 120.625,8.484 121.539,8.484 121.869,8.484 v1(122.072,8.687) ; 121.328,21.234 121.328,19.31 ccw(c121.48,19.31) 121.372,19.203 121.395,19.18 cw(c121.234,19.018) 121.395,18.856 121.372,18.833 ccw(c121.48,18.725) 121.328,18.725 121.328,17.907 121.328,17.585 v1(121.514,17.399) ; 121.328,21.234 121.328,22.278 cw(c121.65,22.278) CON302.3@121.65,22.6
  SIGNAL w0.152: v1@121.514,17.399 cw(c121.329,17.399) 121.459,17.268 ccw(c121.789,16.939) 121.323,16.939 121.323,16.358 121.323,13.335 121.323,10.152 ccw(c123.786,10.152) 121.617,8.985 ccw(c123.786,10.152) 121.756,8.757 ccw(c121.882,8.843) 121.845,8.695 ccw(c121.915,8.985) 121.915,8.687 v1(122.072,8.687)
P2_SSRX_N: CON302.5 D305.2 U201.23 | length 49.2
  COMPONENT w0.152: U201.23@85.165,11.944 85.716,11.944 85.788,11.871 120.117,11.871 120.193,11.871 120.193,12.168 120.853,12.168 120.853,11.871 121.432,11.871 ccw(c121.432,14.411) 123.972,14.411 123.972,18.323 123.972,19.106 123.972,19.65 ccw(c123.82,19.65) 123.971,19.665 cw(c124.199,19.689) 123.971,19.713 ccw(c123.82,19.729) 123.972,19.73 123.972,19.895 123.972,20.573 123.972,21.249 123.972,21.6 ccw(c123.422,21.6) 123.811,21.989 cw(c124.2,22.378) 123.65,22.378 CON302.5@123.65,22.6
P2_SSRX_P: CON302.6 D305.1 U201.22 | length 49.2
  COMPONENT w0.152: U201.22@85.165,11.444 85.716,11.444 85.788,11.516 121.436,11.516 ccw(c121.436,14.408) 124.328,14.408 124.328,17.988 124.328,18.323 124.328,18.725 cw(c124.48,18.725) 124.372,18.833 124.395,18.856 ccw(c124.234,19.018) 124.395,19.18 124.372,19.203 cw(c124.48,19.31) 124.328,19.31 124.328,21.249 ; 124.328,21.249 124.328,21.6 cw(c124.878,21.6) 124.489,21.989 ccw(c124.1,22.378) 124.65,22.378 CON302.6@124.65,22.6
P2_SSTX_N: C306.1 U201.20 | length 47.2
  COMPONENT w0.152: U201.20@85.165,10.444 85.716,10.444 85.788,10.371 123.317,10.371 123.393,10.371 123.393,10.665 124.054,10.665 124.054,10.371 124.488,10.371 ccw(c124.488,12.861) 126.977,12.861 126.977,15.65 ccw(c126.706,15.65) 126.898,15.841 ccw(c126.874,15.817) 126.874,15.851 C306.1@126.675,16.05
P2_SSTX_P: C305.1 U201.19 | length 47.1
  COMPONENT w0.152: U201.19@85.165,9.944 85.716,9.944 85.788,10.016 124.488,10.016 ccw(c124.488,12.861) 127.333,12.861 127.333,15.65 cw(c127.604,15.65) 127.412,15.841 cw(c127.436,15.817) 127.436,15.851 C305.1@127.635,16.05
P2_SSTX_PRE_N: C306.2 CON302.8 D306.2 | length 5.8
  COMPONENT w0.152: CON302.8@126.65,22.6 126.65,22.378 ccw(c127.2,22.378) 126.811,21.989 cw(c126.422,21.6) 126.972,21.6 126.972,20.729 126.972,19.651 D306.2@126.974,19.106 126.972,17.667 cw(c125.958,17.667) C306.2@126.675,16.95
P2_SSTX_PRE_P: C305.2 CON302.9 D306.1 | length 5.9
  COMPONENT w0.152: 127.328,20.728 127.328,19.601 127.328,19.315 ccw(c127.48,19.315) 127.372,19.208 127.4,19.18 cw(c127.239,19.018) 127.4,18.856 127.373,18.828 ccw(c127.48,18.72) 127.328,18.72 127.328,17.692 ccw(c128.377,17.692) C305.2@127.635,16.95 ; 127.328,20.729 CON302.9@127.328,21.599 ; CON302.9@127.328,21.6 cw(c127.878,21.6) 127.489,21.989 ccw(c127.1,22.378) 127.65,22.378 CON302.9@127.65,22.6
P3_D_N: CON303.2 D307.2 U201.9 | length 81.3
  COMPONENT w0.152: CON303.2@13.75,20.5 cw(c14.072,20.5) 14.072,20.822 15.342,20.822 15.944,20.822 16.392,20.822 cw(c16.392,20.67) 16.466,20.803 ccw(c16.576,21.003) 16.687,20.804 cw(c16.76,20.67) 16.76,20.822 18.217,20.822 21.412,20.822 cw(c21.412,18.282) 23.208,20.078 41.504,1.783 v1@41.504,1.524 ; v1@78.359,4.86 80.162,4.86 ccw(c80.162,5.81) 81.008,5.377 ccw(c80.162,5.81) 81.088,5.596 ccw(c80.162,5.81) 81.112,5.81 81.112,7.695 81.04,7.767 U201.9@81.04,8.319
  SIGNAL w0.152: v1(41.377,1.651) ccw(c41.561,1.835) 41.561,1.575 76.173,1.575 ccw(c76.173,3.528) 78.126,3.528 78.126,4.467 cw(c78.921,4.467) v1@78.359,5.029
  other v1: 78.359,5.029
P3_D_P: CON303.3 D307.1 U201.10 | length 81.8
  COMPONENT w0.152: CON303.3@13.75,21.5 ccw(c14.072,21.5) 14.072,21.178 14.757,21.178 15.342,21.178 15.659,21.178 ccw(c15.659,21.33) 15.757,21.214 cw(c15.904,21.039) 16.051,21.214 ccw(c16.15,21.33) 16.15,21.178 21.414,21.178 cw(c21.414,18.286) 23.459,20.331 ; 23.459,20.331 24.459,19.331 ; 24.902,18.887 24.459,19.331 ; v1@41.91,2.032 41.758,2.032 41.415,2.375 41.25,2.54 35.611,8.179 26.772,17.018 24.459,19.331 ; v1@77.789,4.505 80.277,4.505 ccw(c80.277,5.695) 81.363,5.208 ccw(c80.277,5.695) 81.442,5.45 ccw(c80.277,5.695) 81.467,5.695 81.467,7.695 81.54,7.767 U201.10@81.54,8.319
  SIGNAL w0.152: v1(41.91,2.159) ccw(c42.462,2.711) 42.462,1.93 76.173,1.93 ccw(c76.173,3.528) 77.771,3.528 77.771,4.301 ccw(c77.351,4.301) v1@77.648,4.597
  other v1: 77.648,4.597
P3_SSRX_N: CON303.5 D308.2 U201.15 | length 84.8
  COMPONENT w0.152: CON303.5@13.75,23.5 13.972,23.5 ccw(c13.972,24.05) 14.361,23.661 cw(c14.75,23.272) 14.75,23.822 16.397,23.822 cw(c16.398,23.67) 16.399,23.822 cw(c16.398,23.67) 16.444,23.815 cw(c16.398,23.67) 16.469,23.805 ccw(c16.576,24.007) 16.576,23.778 ccw(c16.576,24.007) 16.683,23.805 cw(c16.754,23.67) 16.708,23.815 cw(c16.754,23.67) 16.753,23.822 cw(c16.754,23.67) 16.755,23.822 21.791,23.822 cw(c21.791,21.282) 23.587,23.078 44.243,2.422 ccw(c46.288,4.467) 46.288,1.575 81.072,1.575 ccw(c81.072,4.47) 81.482,1.604 ccw(c81.072,4.47) 83.938,4.06 ccw(c81.072,4.47) 83.967,4.47 83.967,7.695 84.04,7.767 U201.15@84.04,8.319
P3_SSRX_P: CON303.6 D308.1 U201.14 | length 84.8
  COMPONENT w0.152: CON303.6@13.75,24.5 13.972,24.5 cw(c13.972,23.95) 14.361,24.339 ccw(c14.75,24.728) 14.75,24.178 15.233,24.178 15.655,24.178 ccw(c15.655,24.33) 15.75,24.211 ccw(c15.655,24.33) 15.755,24.215 cw(c15.904,24.042) 15.758,24.218 cw(c15.904,24.042) 16.05,24.218 cw(c15.904,24.042) 16.054,24.214 ccw(c16.153,24.33) 16.059,24.211 ccw(c16.153,24.33) 16.152,24.178 ; 16.153,24.178 16.488,24.178 17.247,24.178 21.792,24.178 cw(c21.792,21.286) 23.837,23.331 25.273,21.895 25.327,21.841 25.518,22.032 25.985,21.565 25.794,21.374 26.429,20.739 44.493,2.674 ccw(c46.29,4.47) 46.29,1.93 81.072,1.93 ccw(c81.072,4.47) 81.317,1.942 ccw(c81.072,4.47) 83.6,4.225 ccw(c81.072,4.47) 83.612,4.47 83.612,7.695 83.54,7.767 U201.14@83.54,8.319
P3_SSTX_N: C308.1 U201.12 | length 72.3
  COMPONENT w0.152: C308.1@23.45,25.552 cw(c24.063,24.939) 24.063,25.806 25.726,25.806 cw(c25.726,23.465) 27.381,25.121 48.253,4.249 ccw(c50.294,6.29) 48.256,4.246 ccw(c50.294,6.29) 50.29,3.404 ccw(c50.294,6.29) 50.294,3.404 80.583,3.404 ccw(c80.583,5.288) 81.022,3.456 ccw(c80.583,5.288) 82.416,4.849 ccw(c80.583,5.288) 82.467,5.288 82.467,7.695 82.54,7.767 U201.12@82.54,8.319
P3_SSTX_P: C309.1 U201.11 | length 72.2
  COMPONENT w0.152: C309.1@23.45,26.467 ccw(c24.186,27.203) 24.186,26.162 25.873,26.162 cw(c25.873,23.821) 27.528,25.476 27.696,25.309 28.255,24.75 28.309,24.696 28.477,24.864 28.944,24.397 28.776,24.229 29.169,23.835 29.385,23.619 48.502,4.503 ccw(c50.298,6.299) 48.505,4.5 ccw(c50.298,6.299) 50.294,3.759 ccw(c50.298,6.299) 50.298,3.759 80.435,3.759 ccw(c80.435,5.436) 80.884,3.82 ccw(c80.435,5.436) 82.051,4.987 ccw(c80.435,5.436) 82.112,5.436 82.112,7.695 82.04,7.767 U201.11@82.04,8.319
P3_SSTX_PRE_N: C308.2 CON303.8 D309.2 | length 9.4
  COMPONENT w0.152: CON303.8@13.75,26.5 cw(c14.072,26.5) 14.072,26.822 15.97,26.822 cw(c15.97,26.799) D309.2@15.993,26.799 cw(c16.083,26.677) 16.105,26.827 ccw(c16.177,27.33) 16.177,26.822 16.371,26.822 ccw(c16.371,27.294) 16.423,26.825 cw(c16.439,26.674) 16.457,26.825 cw(c16.439,26.674) 16.494,26.816 ccw(c16.576,27.029) 16.576,26.801 ccw(c16.576,27.029) 16.669,26.82 cw(c16.731,26.681) 16.732,26.834 17.544,26.834 cw(c17.544,25.495) 18.491,26.441 18.493,26.439 ccw(c19.96,27.905) 19.96,25.832 21.909,25.832 cw(c21.909,24.958) 22.526,25.576 C308.2@22.55,25.552
P3_SSTX_PRE_P: C309.2 CON303.9 D309.1 | length 9.5
  COMPONENT w0.152: CON303.9@13.75,27.5 ccw(c14.072,27.5) 14.072,27.178 15.631,27.178 ccw(c15.631,27.33) 15.739,27.222 15.742,27.226 cw(c15.904,27.065) 16.066,27.226 16.07,27.222 ccw(c16.177,27.33) 16.177,27.178 16.371,27.178 ccw(c16.371,27.294) D309.1@16.488,27.294 16.557,27.294 16.662,27.189 17.547,27.189 cw(c17.547,25.502) 18.741,26.695 18.743,26.693 ccw(c19.963,27.913) 19.963,26.187 21.384,26.187 21.909,26.187 ccw(c21.909,27.061) 22.526,26.443 C309.2@22.55,26.467
PB0: CON701.9 CON703.5 U701.8 | length 49.2
  COMPONENT w0.203: CON703.5@18.411,9.9 18.411,8.854 ccw(c19.725,8.854) 18.796,7.925 cw(c18.115,7.244) 19.057,7.444 cw(c18.115,7.244) 19.078,7.244 CON701.9@19.078,6.147 ; CON701.9@19.057,6.147 19.057,3.549 v1@19.126,3.48 ; U701.8@52.728,15.572 53.275,15.572 ccw(c53.275,16.347) v1(53.823,15.799)
  SIGNAL w0.203: v1@19.126,3.48 ccw(c20.426,4.779) 20.426,2.942 36.865,2.942 ccw(c36.865,5.837) 38.911,3.788 ccw(c36.865,5.837) 38.913,3.79 38.986,3.863 44.752,9.629 45.206,10.083 45.784,10.661 cw(c47.58,8.865) 47.58,11.405 51.283,11.405 ccw(c51.283,13.945) 53.823,13.945 v1(53.823,15.799)
  other v1: 19.078,3.48
PB1: CON701.8 CON702.3 CON703.6 U701.9 | length 55
  COMPONENT w0.203: CON703.6@19.661,9.9 19.661,9.188 ccw(c21.303,9.188) 19.706,8.808 ccw(c21.303,9.188) 20.142,8.026 cw(c19.09,6.974) 20.578,6.974 CON701.8@20.578,6.147 v1@20.578,4.572 ; U701.9@52.728,16.072 53.181,16.072 53.68,16.571 53.68,16.578 ; v1(53.315,18.334) cw(c53.315,17.77) 53.467,18.313 cw(c53.315,17.77) 53.858,17.922 cw(c53.315,17.77) 53.879,17.77 53.879,17.059 cw(c53.199,17.059) 53.68,16.578 ; CON702.3@57.226,20.549 v1(57.226,21.869)
  SIGNAL w0.203: v1(20.578,4.572) cw(c21.324,4.572) 20.797,5.099 33.473,17.776 cw(c35.27,15.98) 35.27,18.52 52.866,18.52 cw(c52.866,17.885) v1(53.315,18.334) 53.315,18.694 cw(c54.559,18.694) 54.559,19.939 55.296,19.939 ccw(c55.296,21.869) v1(57.226,21.869) ; v1@20.726,4.496 v1@20.726,4.572
PB4: CON701.5 CON703.9 U701.28 | length 30.9
  COMPONENT w0.203: CON703.9@23.411,9.9 23.411,9.618 ccw(c25.518,9.618) 24.028,8.128 24.729,7.428 cw(c23.905,6.604) 25.07,6.604 v1@25.07,4.47 ; v1(44.867,14.565) 44.874,14.572 U701.28@46.078,14.572
  SIGNAL w0.203: v1@25.07,4.47 cw(c26.112,4.47) 25.091,4.678 cw(c25.29,4.637) 25.146,4.78 25.829,5.464 26.023,5.657 cw(c27.819,3.861) 26.777,6.177 cw(c27.819,3.861) 27.819,6.401 33.314,6.401 ccw(c33.314,9.296) 35.36,7.247 ccw(c33.314,9.296) 35.363,7.25 41.821,13.709 cw(c43.617,11.913) 43.617,14.453 44.755,14.453 v1(44.867,14.565)
  other v1: 25.078,4.572
PB5: CON701.4 CON703.10 U701.29 | length 29.7
  COMPONENT w0.203: CON703.10@24.661,9.9 24.661,9.07 ccw(c25.73,9.07) 25.73,8.001 cw(c25.73,7.153) 26.578,7.153 CON701.4@26.578,6.147 ; v1@26.619,4.42 CON701.4@26.619,6.147 ; v1(43.764,13.894) 43.815,13.945 cw(c44.122,13.638) 44.122,14.072 44.72,14.072 cw(c44.721,13.869) 44.763,14.067 ccw(c44.867,14.565) 44.971,14.067 cw(c45.013,13.869) 45.014,14.072 U701.29@46.078,14.072
  SIGNAL w0.203: v1@26.619,4.42 27.501,5.301 cw(c29.297,3.505) 29.297,6.045 33.314,6.045 ccw(c33.314,9.296) 35.61,6.995 ccw(c33.314,9.296) 35.614,6.999 35.659,7.043 41.765,13.15 cw(c43.561,11.354) 43.561,13.894 v1(43.764,13.894)
  other v1: 26.578,4.572
PB6: CON701.3 CON703.11 U701.30 | length 29.3
  COMPONENT w0.203: CON703.11@25.911,9.9 25.911,9.369 ccw(c27.051,9.369) 27.051,8.23 cw(c27.051,7.202) 28.078,7.202 CON701.3@28.078,6.147 28.078,3.926 v1@28.169,3.835 ; v1(43.637,13.012) 43.67,12.979 43.966,13.276 cw(c44.681,12.561) 44.051,13.352 ccw(c43.925,13.511) 44.068,13.366 cw(c44.425,13.005) 44.29,13.495 ccw(c44.236,13.691) 44.311,13.502 cw(c44.681,12.561) 44.681,13.572 U701.30@46.078,13.572
  SIGNAL w0.203: v1@28.169,3.835 ccw(c28.609,4.276) 28.609,3.653 30.582,3.653 32.614,3.653 33.226,3.653 ccw(c33.226,6.193) 33.228,3.653 ccw(c33.226,6.193) 35.022,4.397 v1(43.637,13.012)
  other v1: 28.078,3.835
PB7: CON701.10 CON703.4 U701.12 | length 55.9
  COMPONENT w0.203: CON703.4@17.161,9.9 cw(c16.653,9.391) 17.372,9.391 17.372,6.475 ccw(c18.195,6.763) CON701.10@17.578,6.147 v1(17.578,4.139) ; 17.348,7.264 17.348,8.388 ; U701.12@51.903,17.897 cw(c52.98,17.897) 52.1,18.518 cw(c52.265,18.4) 52.231,18.6 ccw(c52.146,19.101) 52.585,18.845 cw(c52.761,18.743) 52.711,18.94 cw(c52.98,17.897) 52.98,18.974 cw(c52.98,17.664) 54.29,17.664 54.29,16.47 v1(54.188,16.367)
  SIGNAL w0.203: v1@17.486,4.231 v1(17.578,4.139) 18.69,4.139 cw(c18.69,2.702) 19.705,3.719 ; 19.707,3.717 ccw(c20.722,4.734) 20.722,3.297 36.865,3.297 ccw(c36.865,5.837) 38.661,4.041 45.532,10.912 cw(c47.58,8.865) 47.58,11.76 51.283,11.76 ccw(c51.283,13.945) 51.91,11.852 ccw(c51.283,13.945) 52.589,12.194 ccw(c51.283,13.945) 53.467,13.945 53.467,15.358 ccw(c53.264,15.359) 53.423,15.485 cw(c53.823,15.799) 53.862,16.305 ccw(c53.878,16.508) 53.957,16.321 cw(c54.188,15.773) v1(54.188,16.367)
PC6: CON703.14 U701.31 | length 27.6
  COMPONENT w0.203: v1@29.642,8.509 ccw(c29.595,8.556) 29.661,8.556 CON703.14@29.661,9.9 ; v1(44.323,12.192) 44.323,12.333 cw(c45.048,12.333) 44.353,12.539 cw(c44.886,12.539) 44.886,13.072 U701.31@46.078,13.072
  SIGNAL w0.203: v1@29.642,8.509 cw(c31.898,8.509) 30.303,10.105 35.224,15.026 cw(c37.273,12.979) 35.463,15.24 cw(c37.273,12.979) 37.273,15.875 43.256,15.875 44.41,15.875 cw(c44.41,14.555) 45.178,15.629 cw(c44.41,14.555) 45.595,15.138 cw(c44.41,14.555) 45.728,14.637 cw(c44.41,14.555) 45.729,14.615 cw(c44.867,14.565) 45.73,14.552 45.73,12.939 cw(c44.983,12.939) 45.486,12.386 ccw(c45.623,12.236) 45.442,12.328 cw(c45.243,12.371) 45.377,12.218 45.343,12.188 ccw(c45.477,12.035) 45.336,12.182 ; v1(44.323,12.192) 44.542,12.192 cw(c44.543,11.989) 44.668,12.149 ; 44.669,12.148 ccw(c44.983,12.548) 45.336,12.182
  other v1: 29.661,8.509
PC7: CON703.15 U701.32 | length 23.6
  COMPONENT w0.203: v1@30.911,8.458 CON703.15@30.911,9.9 ; CON703.15@30.911,10.21 cw(c30.988,10.21) CON703.15@30.988,10.287 ; v1(44.983,12.548) 45.008,12.572 U701.32@46.078,12.572
  SIGNAL w0.203: v1@30.911,8.458 30.911,9.158 cw(c33.451,9.158) 31.655,10.954 35.476,14.775 cw(c37.273,12.979) 37.273,15.519 37.72,15.519 38.168,15.519 39.421,15.519 43.917,15.519 44.41,15.519 cw(c44.41,14.555) 45.188,15.125 cw(c44.41,14.555) 45.374,14.597 cw(c44.867,14.565) 45.375,14.555 45.375,12.939 cw(c44.983,12.939) v1(44.983,12.548)
  other v1: 30.911,8.509
PD6: R703.1 U701.26 | length 5.8
  COMPONENT w0.203: R703.1@40.64,16.266 ccw(c41.336,16.266) 41.336,15.57 46.076,15.57 U701.26@46.078,15.572
PD7: CON701.11 CON703.3 U701.27 | length 40
  COMPONENT w0.203: CON703.3@15.911,9.9 15.911,6.55 ccw(c16.481,6.55) 16.078,6.147 v1(16.078,4.572) ; v1(44.323,14.961) 44.435,15.073 46.077,15.073 U701.27@46.078,15.072
  SIGNAL w0.203: v1@16.078,4.572 cw(c16.259,4.391) 16.259,4.647 18.357,4.647 cw(c18.357,2.344) 19.745,4.182 cw(c18.357,2.344) 19.986,3.972 ccw(c20.977,5.35) 20.977,3.653 22.575,3.653 ccw(c22.575,5.924) 23.906,4.084 ccw(c23.906,4.182) 23.975,4.112 24.552,4.689 ; 24.553,4.69 ccw(c24.408,4.833) 24.597,4.758 cw(c25.07,4.572) 24.884,5.045 ccw(c24.809,5.234) 24.952,5.089 ; 24.953,5.09 25.875,6.012 cw(c27.671,4.216) 27.671,6.756 33.314,6.756 ccw(c33.314,9.296) 35.11,7.5 41.826,14.217 cw(c43.623,12.421) 43.623,14.961 v1(44.323,14.961)